# KiCad board handcart.kicad_pcb
title: Handcart; date: 2021-11-11; rev: v2; company: E-Agle - TRT
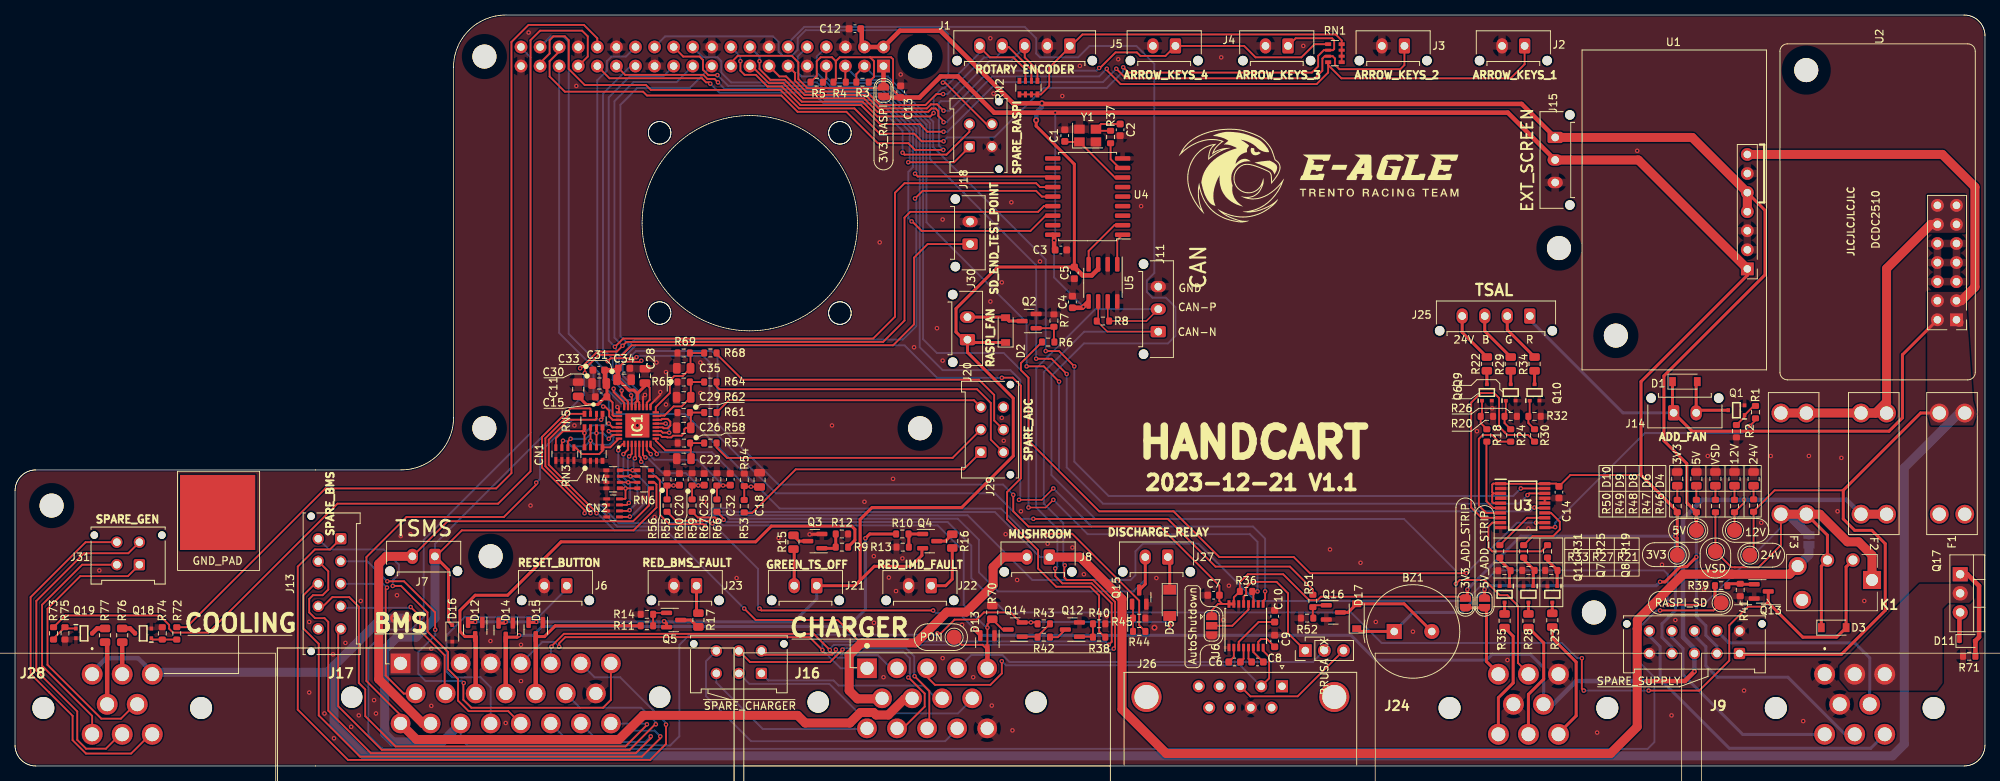
[diagram p0: board, top side]
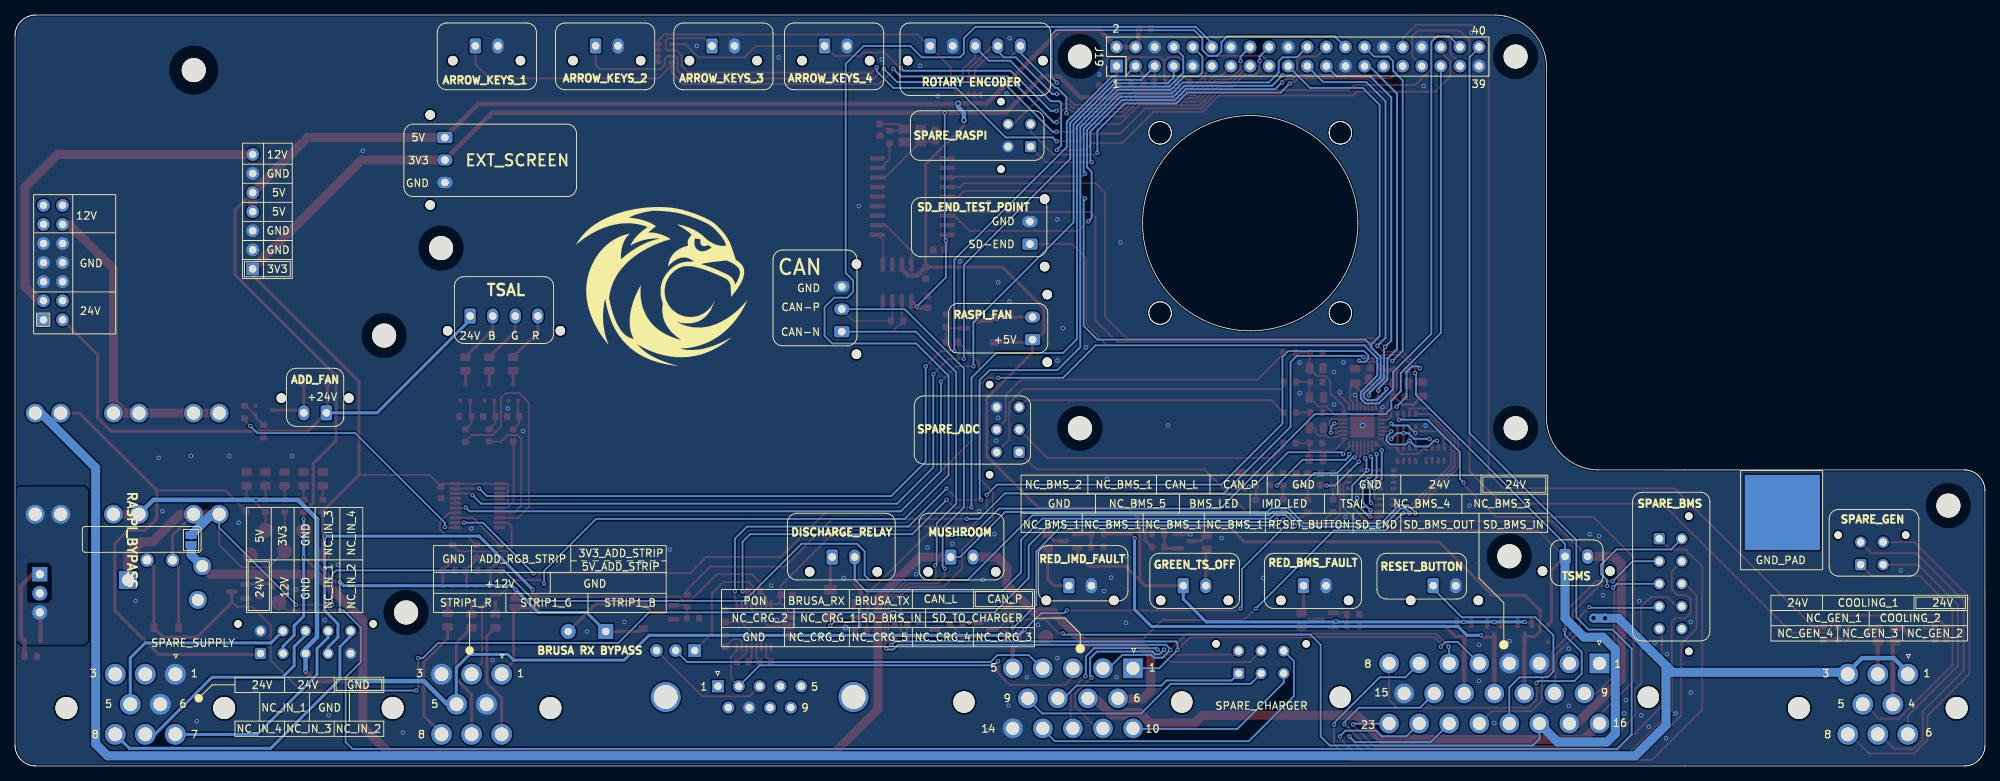
[diagram p1: board, bottom side, seen from below]

Outline 262.24 x 100 mm; copper layers: Top, Bottom. Coordinates in mm from the lower left corner of the outline.
Stack: Top 0.035mm / dielectric 1.51mm FR4 er 4.5 / Bottom 0.035mm

## Placement (name value [footprint] x y rotation side)
BZ1  Buzzer  [Buzzer_TDK_PS1240P02BT_D12.2mm_H6.5mm]  183.6 17.91 0 top
C1  18pF  [C_0603_1608Metric]  139.74 83.95 90 top
C2  18pF  [C_0603_1608Metric]  147.11 84.72 270 top
C3  100nF  [C_0603_1608Metric]  139.24 68.71 0 top
C4  100nF  [C_0603_1608Metric]  140.76 61.79 90 top
C5  100nF  [C_0603_1608Metric]  141.01 65.67 270 top
C6  100nF  [C_0603_1608Metric]  162.35 13.85 0 top
C7  100nF  [C_0603_1608Metric]  159.56 22.74 180 top
C8  100nF  [C_0603_1608Metric]  165.4 13.85 0 top
C9  100nF  [C_0603_1608Metric]  167.68 16.64 90 top
C10  100nF  [C_0603_1608Metric]  167.68 19.95 90 top
C11  10uF  [C_0805_2012Metric]  74.97 50.17 90 top
C12  100nF  [C_0603_1608Metric]  111.8 98.18 180 top
C13  100nF  [C_0603_1608Metric]  117.9 89.8 90 top
C14  100nF  [C_0603_1608Metric]  205.53 36.46 270 top
C15  100nF  [C_0603_1608Metric]  78.02 49.16 180 top
C18  C  [C_0805_2012Metric]  99.11 38.1 90 top
C20  100nF  [C_0603_1608Metric]  88.44 38.18 90 top
C22  C  [C_0805_2012Metric]  89.04 40.93 180 top
C25  100nF  [C_0603_1608Metric]  91.74 38.18 90 top
C26  C  [C_0805_2012Metric]  89.01 45.03 180 top
C28  470nF  [C_0805_2012Metric]  83.86 51.95 90 top
C29  C  [C_0805_2012Metric]  89.01 49.1 180 top
C30  10uF  [C_0805_2012Metric]  77.77 50.93 180 top
C31  10uF  [C_0805_2012Metric]  81.07 51.44 0 top
C32  100nF  [C_0603_1608Metric]  95.21 38.18 90 top
C33  100nF  [C_0603_1608Metric]  77.71 52.71 180 top
C34  100nF  [C_0603_1608Metric]  81.08 52.97 0 top
C35  C  [R_0805_2012Metric]  89.01 52.97 180 top
CN1  100nF  [R_Array_Concave_4x0603]  73.2 41.54 90 top
CN2  100nF  [R_Array_Concave_4x0603]  79.62 34.37 0 top
D1  1N4148W  [D_SOD-123]  222.29 51.19 0 top
D2  1N4148W  [D_SOD-123]  131.87 58.05 90 top
D3  1N4148W  [D_SOD-123]  242.11 18.42 0 top
D4  24V  [R_0805_2012Metric]  231.44 38.23 270 top
D5  RGL34B  [D_MiniMELF]  153.71 21.72 270 top
D6  12V  [R_0805_2012Metric]  228.9 38.23 270 top
D8  VSD  [R_0805_2012Metric]  226.36 38.23 270 top
D9  5V  [R_0805_2012Metric]  223.82 38.23 270 top
D10  3V3  [R_0805_2012Metric]  221.28 38.23 270 top
D11  DDZ3V3ASF-7  [D_SOD-323]  259.89 16.64 0 top
D12  BAT54S  [SOT-23]  61.26 18.17 270 top
D13  BAT54S  [SOT-23]  129.44 16.42 270 top
D14  BAT54S  [SOT-23]  65.32 18.09 270 top
D15  BAT54S  [SOT-23]  69.32 18.17 270 top
D16  DDZ13ASF 13V  [D_SOD-323F]  58.21 17.66 270 top
D17  1N4148W  [D_SOD-123]  178.61 19.95 90 top
F1  10A  [Keystone-Fuseholder 3557-2]  257.85 40.27 90 top
F2  5A  [Keystone-Fuseholder 3557-2]  247.44 40.27 270 top
F3  2A  [Keystone-Fuseholder 3557-2]  236.77 40.27 270 top
G***  LOGO  [newlogo]  173.53 78.62 0 top
G***#2  LOGO  [logo_24mm]  176.32 63.89 180 bottom
GND_PAD  -  [TestPoint_GNDedge]  26.97 33.66 0 top
IC1  MAX11337ATJ+  [QFN50P500X500X80-33N]  82.85 45.35 90 top
J1  ROTARY ENCODER  [Molex_Micro-Fit_3.0_43650-0515_1x05_P3.00mm_Vertical]  140.41 95.89 180 top
J2  ARROW_KEYS_1  [Molex_Micro-Fit_3.0_43650-0215_1x02_P3.00mm_Vertical]  200.96 95.89 180 top
J3  ARROW_KEYS_2  [Molex_Micro-Fit_3.0_43650-0215_1x02_P3.00mm_Vertical]  184.96 95.89 180 top
J4  ARROW_KEYS_3  [Molex_Micro-Fit_3.0_43650-0215_1x02_P3.00mm_Vertical]  169.46 95.89 180 top
J5  ARROW_KEYS_4  [Molex_Micro-Fit_3.0_43650-0215_1x02_P3.00mm_Vertical]  154.48 95.89 180 top
J6  RESET_BUTTON  [Molex_Micro-Fit_3.0_43650-0215_1x02_P3.00mm_Vertical]  73.45 24.01 180 top
J7  TSMS  [Molex_Micro-Fit_3.0_43650-0215_1x02_P3.00mm_Vertical]  55.9 27.91 180 top
J8  MUSHROOM  [Molex_Micro-Fit_3.0_43650-0215_1x02_P3.00mm_Vertical]  137.69 27.82 180 top
J9  1-776279-1  [TE-17762791]  240.9 12.22 0 top
J10  SPARE_SUPPLY  [Molex_Micro-Fit_3.0_43045-1012_2x05_P3.00mm_Vertical]  229.56 14.98 180 top
J11  CAN  [Molex_Micro-Fit_3.0_43650-0315_1x03_P3.00mm_Vertical]  152.19 57.84 90 top
J12  SPARE_CHARGER  [Molex_Micro-Fit_3.0_43045-0612_2x03_P3.00mm_Vertical]  99.36 12.33 180 top
J13  SPARE_BMS  [Molex_Micro-Fit_3.0_43045-1012_2x05_P3.00mm_Vertical]  43.36 30.26 270 top
J14  ADD_FAN  [Molex_Micro-Fit_3.0_43650-0215_1x02_P3.00mm_Vertical]  220.79 47.03 0 top
J15  EXT_SCREEN  [Molex_Micro-Fit_3.0_43650-0315_1x03_P3.00mm_Vertical]  205.02 83.7 270 top
J16  CHARGER  [TE_776266-4]  121.42 9.01 0 top
J17  BMS  [TE_776087-4]  65.32 9.66 0 top
J18  SPARE_RASPI  [Molex_Micro-Fit_3.0_43045-0412_2x02_P3.00mm_Vertical]  127.04 82.48 90 top
J19  Raspberry_Pi_2_3  [raspberrypi_hat_template]  115.62 93.21 90 bottom
J20  RASPI_FAN  [Molex_Micro-Fit_3.0_43650-0215_1x02_P3.00mm_Vertical]  126.79 56.78 90 top
J21  GREEN_TS_OFF  [Molex_Micro-Fit_3.0_43650-0215_1x02_P3.00mm_Vertical]  106.72 24.01 180 top
J22  RED_IMD_FAULT  [Molex_Micro-Fit_3.0_43650-0215_1x02_P3.00mm_Vertical]  121.96 24.01 180 top
J23  RED_BMS_FAULT  [Molex_Micro-Fit_3.0_43650-0215_1x02_P3.00mm_Vertical]  90.72 24.01 180 top
J24  1-776279-1  [TE-17762791]  197.47 12.22 0 top
J25  TSAL  [Molex_Micro-Fit_3.0_43650-0415_1x04_P3.00mm_Vertical]  201.65 59.92 180 top
J26  RS_232  [DSUB-9_Female_Horizontal_P2.77x2.84mm_EdgePinOffset7.70mm_Housed_MountingHolesOffset9.12mm]  168.66 10.61 0 top
J27  DISCHARGE_RELAY  [Molex_Micro-Fit_3.0_43650-0215_1x02_P3.00mm_Vertical]  153.46 27.82 180 top
J28  COOLING  [TE-17762791]  10.27 12.22 0 top
J29  SPARE_ADC  [Molex_Micro-Fit_3.0_43045-0612_2x03_P3.00mm_Vertical]  128.57 41.79 90 top
J30  SD_END_TEST_POINT  [Molex_Micro-Fit_3.0_43650-0215_1x02_P3.00mm_Vertical]  127.14 69.5 90 top
J31  SPARE_GEN  [Molex_Micro-Fit_3.0_43045-0412_2x02_P3.00mm_Vertical]  16.55 26.8 180 top
JP1  RASPI_BYPASS  [SolderJumper-2_P1.3mm_Open_Pad1.0x1.5mm]  238.8 30.11 270 bottom
JP2  3V3_RASPI  [SolderJumper-2_P1.3mm_Open_RoundedPad1.0x1.5mm]  115.61 89.8 270 top
JP3  5V_ADD_STRIP  [SolderJumper-2_P1.3mm_Open_RoundedPad1.0x1.5mm]  195.62 21.72 90 top
JP4  3V3_ADD_STRIP  [SolderJumper-2_P1.3mm_Open_RoundedPad1.0x1.5mm]  193.08 21.72 90 top
JP5  BRUSA RX  [PinHeader_1x03_P2.54mm_Vertical]  171.76 15.37 90 top
JP6  AutoShutdown  [SolderJumper-3_P1.3mm_Open_RoundedPad1.0x1.5mm]  159.3 18.68 270 top
K1  -  [EX12U1S]  247.21 24.77 0 top
Q1  SSM3K361TU,LF  [SOTFL65P210X75-3N]  229.15 47.38 180 top
Q2  2N7002NXAK  [SOT-23]  135 59.25 180 top
Q3  2N7002NXAK  [SOT-23]  106.47 29.94 180 top
Q4  NTR5105PT1G  [SOT-23]  121.76 29.94 0 top
Q5  NTR5105PT1G  [SOT-23]  87.67 19.44 0 top
Q6  SSM3K361TU,LF  [SOTFL65P210X75-3N]  195.93 49.73 90 top
Q7  SSM3K361TU,LF  [SOTFL65P210X75-3N]  204.64 22.87 270 top
Q8  SSM3K361TU,LF  [SOTFL65P210X75-3N]  201.47 22.87 270 top
Q9  SSM3K361TU,LF  [SOTFL65P210X75-3N]  199.11 49.73 90 top
Q10  SSM3K361TU,LF  [SOTFL65P210X75-3N]  202.28 49.73 90 top
Q11  SSM3K361TU,LF  [SOTFL65P210X75-3N]  198.29 22.87 270 top
Q12  2N7002NXAKR  [SOT-23]  140.76 18.17 180 top
Q13  2N7002NXAKR  [SOT-23]  232.45 23.25 0 top
Q14  NTR5105PT1G  [SOT-23]  133.14 18.17 180 top
Q15  2N7002NXAK  [SOT-23]  149.65 22.49 90 top
Q16  2N7002NXAK  [SOT-23]  175.49 20.45 0 top
Q17  FQP17P06  [TO-220-3_Vertical]  258.94 25.53 270 top
Q18  SSM3K361TU,LF  [SOTFL65P210X75-3N]  17.06 17.66 180 top
Q19  SSM3K361TU,LF  [SOTFL65P210X75-3N]  9.19 17.66 0 top
R1  22R  [R_0603_1608Metric]  231.69 47.12 270 top
R2  330k  [R_0603_1608Metric]  229.15 44.58 270 top
R3  4k7  [R_0603_1608Metric]  112.82 91.07 180 top
R4  4k7  [R_0603_1608Metric]  109.77 91.07 0 top
R5  4k7  [R_0603_1608Metric]  106.72 91.07 0 top
R6  22R  [R_0603_1608Metric]  137.54 56.46 180 top
R7  330k  [R_0603_1608Metric]  138.3 59.32 90 top
R8  120R  [R_0603_1608Metric]  144.82 59.25 180 top
R9  22R  [R_0603_1608Metric]  110.08 29.14 180 top
R10  22R  [R_0603_1608Metric]  118.11 30.89 0 top
R11  22R  [R_0603_1608Metric]  84.12 18.68 0 top
R12  330k  [R_0603_1608Metric]  110.08 30.89 0 top
R13  330k  [R_0603_1608Metric]  118.16 29.14 180 top
R14  330k  [R_0603_1608Metric]  84.12 20.2 180 top
R15  120R  [R_0805_2012Metric]  103.63 29.79 270 top
R16  120R  [R_0805_2012Metric]  124.76 29.94 270 top
R17  120R  [R_0805_2012Metric]  90.98 19.44 90 top
R18  22R  [R_0603_1608Metric]  195.93 44.02 270 top
R19  22R  [R_0603_1608Metric]  204.01 28.58 90 top
R20  330k  [R_0603_1608Metric]  195.93 46.56 0 top
R21  330k  [R_0603_1608Metric]  204.51 26.04 180 top
R22  R  [R_0805_2012Metric]  195.93 53.54 90 top
R23  R  [R_0805_2012Metric]  204.64 19.41 270 top
R24  22R  [R_0603_1608Metric]  199.11 44.02 270 top
R25  22R  [R_0603_1608Metric]  200.83 28.58 90 top
R26  330k  [R_0603_1608Metric]  199.11 46.56 0 top
R27  330k  [R_0603_1608Metric]  201.47 26.04 180 top
R28  R  [R_0805_2012Metric]  201.47 19.33 270 top
R29  R  [R_0805_2012Metric]  199.11 53.54 90 top
R30  22R  [R_0603_1608Metric]  202.28 44.02 270 top
R31  22R  [R_0603_1608Metric]  197.66 28.58 90 top
R32  330k  [R_0603_1608Metric]  202.28 46.56 0 top
R33  330k  [R_0603_1608Metric]  198.27 26 180 top
R34  R  [R_0805_2012Metric]  202.28 53.54 90 top
R35  R  [R_0805_2012Metric]  198.29 19.33 270 top
R36  10k  [R_0603_1608Metric]  163.87 23.25 0 top
R37  22R  [R_0603_1608Metric]  145.84 83.76 90 top
R38  22R  [R_0603_1608Metric]  144.32 17.15 0 top
R39  22R  [R_0603_1608Metric]  227.12 24.01 180 top
R40  330k  [R_0603_1608Metric]  144.32 18.93 0 top
R41  330k  [R_0603_1608Metric]  229.66 23.44 270 top
R42  22R  [R_0603_1608Metric]  136.95 17.15 0 top
R43  330k  [R_0603_1608Metric]  136.95 18.93 0 top
R44  22R  [R_0603_1608Metric]  149.65 17.91 180 top
R45  330k  [R_0603_1608Metric]  149.65 19.69 0 top
R46  22k  [R_0603_1608Metric]  231.44 34.68 90 top
R47  10k  [R_0603_1608Metric]  228.9 34.61 90 top
R48  10k  [R_0603_1608Metric]  226.36 34.61 90 top
R49  2k7  [R_0603_1608Metric]  223.82 34.61 90 top
R50  2k7  [R_0603_1608Metric]  221.28 34.61 90 top
R51  22R  [R_0603_1608Metric]  172.76 21.98 270 top
R52  330k  [R_0603_1608Metric]  172 19.69 180 top
R53  R  [R_0603_1608Metric]  97.07 34.6 270 top
R54  R  [R_0603_1608Metric]  97.08 38.1 270 top
R55  27k  [R_0603_1608Metric]  86.8 34.68 270 top
R56  3k3  [R_0603_1608Metric]  86.79 38.18 270 top
R57  R  [R_0603_1608Metric]  92.57 43 0 top
R58  R  [R_0603_1608Metric]  89.03 43 0 top
R59  27k  [R_0603_1608Metric]  90.13 34.68 270 top
R60  3k3  [R_0603_1608Metric]  90.13 38.18 270 top
R61  R  [R_0603_1608Metric]  92.57 47.07 0 top
R62  R  [R_0603_1608Metric]  89.01 47.07 0 top
R64  R  [R_0603_1608Metric]  92.57 51.13 0 top
R65  R  [R_0603_1608Metric]  89.01 51.13 0 top
R66  27k  [R_0603_1608Metric]  93.43 34.68 270 top
R67  3k3  [R_0603_1608Metric]  93.43 38.18 270 top
R68  R  [R_0603_1608Metric]  92.57 55 0 top
R69  R  [R_0603_1608Metric]  89.01 55 0 top
R70  R  [R_0805_2012Metric]  130.09 20.45 90 top
R71  1k  [R_0603_1608Metric]  260.14 14.61 180 top
R72  22R  [R_0603_1608Metric]  21.53 17.66 90 top
R73  22R  [R_0603_1608Metric]  5.12 17.66 90 top
R74  330k  [R_0603_1608Metric]  19.6 17.66 90 top
R75  330k  [R_0603_1608Metric]  6.65 17.66 270 top
R76  R  [R_0805_2012Metric]  14.27 17.41 270 top
R77  R  [R_0805_2012Metric]  11.98 17.41 270 top
REF**  -  [MountingHole_3.2mm_M3_ISO14580]  62.48 94.47 0 top
REF**#2  -  [MountingHole_3.2mm_M3_ISO14580]  120.48 94.48 0 top
REF**#3  -  [MountingHole_3.2mm_M3_ISO14580]  205.53 68.97 0 top
REF**#4  -  [MountingHole_3.2mm_M3_ISO14580]  63.32 27.93 0 top
REF**#5  -  [MountingHole_3.2mm_M3_ISO14580]  120.48 44.97 0 top
REF**#6  -  [MountingHole_3.2mm_M3_ISO14580]  210.18 20.44 0 top
REF**#7  -  [MountingHole_3.2mm_M3_ISO14580]  4.87 34.68 0 top
REF**#8  -  [MountingHole_3.2mm_M3_ISO14580]  62.47 44.98 0 top
RN1  100k  [R_Array_Convex_4x0603]  175.7 94.92 180 top
RN2  100k  [R_Array_Convex_4x0603]  134.91 90.33 90 top
RN3  3k3  [R_Array_Convex_4x0603]  77.01 41.54 270 top
RN4  3k3  [R_Array_Convex_4x0603]  79.62 38.18 180 top
RN5  27k  [R_Array_Convex_4x0603]  77.01 45.99 270 top
RN6  27k  [R_Array_Convex_4x0603]  83.75 38.18 180 top
TP1  3V3  [TestPoint_Pad_D2.0mm]  221.28 28.07 0 top
TP2  5V  [TestPoint_Pad_D2.0mm]  223.82 31.38 0 top
TP3  24V  [TestPoint_Pad_D2.0mm]  230.93 28.07 0 top
TP4  12V  [TestPoint_Pad_D2.0mm]  228.9 31.38 0 top
TP5  VSD  [TestPoint_Pad_D2.0mm]  226.36 28.58 0 top
TP6  RASPI_SD  [TestPoint_Pad_D2.0mm]  227.12 21.72 0 top
TP7  PON  [TestPoint_Pad_D2.0mm]  125.01 17.15 0 top
U1  Tex_DCDC_v2  [Tex_DCDC_v2_horizontal]  230.6 66.2 180 top
U2  DCDC2510  [DCDC2510_Horizontal]  258.45 59.42 90 top
U3  PCA9634PW,118  [SOP65P640X110-20N]  200.7 34.68 0 top
U4  MCP2515-xSO  [SOIC-18W_7.5x11.6mm_P1.27mm]  142.79 75.83 180 top
U5  MCP2562-E-SN  [SOIC-8_3.9x4.9mm_P1.27mm]  144.82 64.33 270 top
U6  MAX3221  [SSOP-16_4.4x5.2mm_P0.65mm]  163.87 18.68 90 top
Y1  16MHz  [Crystal_SMD_3225-4Pin_3.2x2.5mm]  142.79 83.95 0 top

## Library data of the parts
BZ1 = -: PN: SD1209TT-A1
CN1 CN2 = -: Mouser: 581-W3A4YC104KAT2A
D1 D2 D17 = -: Store: TODO: find actual component
IC1 = -: Footprint_1: QFN50P500X500X80-33N; Height: 0.8; Manufacturer_Name: Analog Devices; Mouser Part Number: 700-MAX11337ATJ+; Mouser Price/Stock: https://www.mouser.co.uk/ProductDetail/Maxim-Integrated/MAX11337ATJ%2b?qs=pu0pc1ys7QqkCGbvlrZL5A%3D%3D; Reference_1: IC
J9 J24 = -: Height: 32.1; Manufacturer_Name: TE Connectivity; Mouser Part Number: 571-1-776279-1
J17 = -: Connector: TE Ampseal 23; Type: Cable
J26 = -: Mouser: https://www.mouser.it/ProductDetail/TE-Connectivity/2311765-1?qs=sGAEpiMZZMuCYX%2F97lp%252BMd3rBgv0qTySLNdgjKGQMkd7W37zn6jYCg%3D%3D
J28 = -: Height: 32.1; Manufacturer_Name: TE Connectivity; Manufacturer_Part_Number: 1-776279-1; Mouser Part Number: 571-1-776279-1
Q6-Q11 Q18 Q19 = -: Height: 0.75; Manufacturer_Name: Toshiba; Mouser Part Number: 757-SSM3K361TULF; Mouser Price/Stock: https://www.mouser.co.uk/ProductDetail/Toshiba/SSM3K361TULF?qs=r5DSvlrkXmLO9ymRQhnt0A%3D%3D
Q16 = -: BOM Name: NMOS; PN: 2N7002NXAKR; Price [€]: 0.197; Store: https://www.mouser.it/ProductDetail/Nexperia/2N7002NXAKR?qs=%252B6g0mu59x7JoAsZYPFXqhw%3D%3D
U3 = -: Height: 1.1; Manufacturer_Name: NXP; Mouser Part Number: 771-PCA9634PW-T; Mouser Price/Stock: https://www.mouser.co.uk/ProductDetail/NXP-Semiconductors/PCA9634PW118?qs=LOCUfHb8d9v7SMDXrefb3Q%3D%3D
Y1 = -: Campo4: ECS-160-18-33-AEN-TR

## Footprints (pads in the part's own frame, mm; a bottom-side part is the same pattern mirrored in y, then rotated)
Buzzer_TDK_PS1240P02BT_D12.2mm_H6.5mm
  rect 2x2 hole 1: 1(0,0)
  round 2 hole 1: 2(5,0)
C_0603_1608Metric
  rrect 0.9x0.95 smd: 1(-0.775,0) 2(0.775,0)
C_0805_2012Metric
  rrect 1x1.45 smd: 1(-0.95,0) 2(0.95,0)
Crystal_SMD_3225-4Pin_3.2x2.5mm
  rect 1.4x1.2 smd: 1(-1.1,-0.85) 2(1.1,-0.85) 3(1.1,0.85) 4(-1.1,0.85)
D_MiniMELF
  rect 1.3x1.7 smd: 1(-1.75,0) 2(1.75,0)
D_SOD-123
  rect 0.9x1.2 smd: 1(-1.65,0) 2(1.65,0)
D_SOD-323
  rect 0.6x0.45 smd: 1(-1.05,0) 2(1.05,0)
D_SOD-323F
  rect 0.5x0.5 smd: 1(-1.1,0) 2(1.1,0)
DCDC2510_Horizontal
  round 3.2 hole 3.2 unplated: (33.25,20)
  rect 1.7x1.7 hole 1: 1(0,0)
  oval 1.7x1.7 hole 1: 2(0,2.54) 3(2.54,0) 4(2.54,2.54) 5(5.08,0) 6(5.08,2.54) 7(7.62,0) 8(7.62,2.54) 9(10.16,0) 10(10.16,2.54) 11(12.7,0) 12(12.7,2.54) 13(15.24,0) 14(15.24,2.54)
DSUB-9_Female_Horizontal_P2.77x2.84mm_EdgePinOffset7.70mm_Housed_MountingHolesOffset9.12mm
  round 4 hole 3.2: 0(-18.04,-1.42) 0(6.96,-1.42)
  rect 1.6x1.6 hole 1: 1(0,0)
  round 1.6 hole 1: 2(-2.77,0) 3(-5.54,0) 4(-8.31,0) 5(-11.08,0) 6(-1.385,-2.84) 7(-4.155,-2.84) 8(-6.925,-2.84) 9(-9.695,-2.84)
EX12U1S
  rect 2.4x2.4 hole 1.6: 1(0,0)
  round 1.8 hole 1.2: 2(-2.54,2.65) 3(-5.94,2.65)
  round 2.4 hole 1.6: 4(-9.9,1.85) 5(-9.3,-2.65)
Keystone-Fuseholder 3557-2
  round 2.5 hole 1.77: 1(-6.735,1.7) 1(-6.735,-1.7) 2(6.735,1.7) 2(6.735,-1.7)
Molex_Micro-Fit_3.0_43045-0412_2x02_P3.00mm_Vertical
  round 1 hole 1 unplated: (-3,-3.94) (6,-3.94)
  rrect 1.5x1.5 hole 1: 1(0,0)
  round 1.5 hole 1: 2(3,0) 3(0,-3) 4(3,-3)
Molex_Micro-Fit_3.0_43045-0612_2x03_P3.00mm_Vertical
  round 1 hole 1 unplated: (-3,-3.94) (9,-3.94)
  rrect 1.5x1.5 hole 1: 1(0,0)
  round 1.5 hole 1: 2(3,0) 3(6,0) 4(0,-3) 5(3,-3) 6(6,-3)
Molex_Micro-Fit_3.0_43045-1012_2x05_P3.00mm_Vertical
  round 1 hole 1 unplated: (-3,-3.94) (15,-3.94)
  rrect 1.5x1.5 hole 1: 1(0,0)
  round 1.5 hole 1: 2(3,0) 3(6,0) 4(9,0) 5(12,0) 6(0,-3) 7(3,-3) 8(6,-3) 9(9,-3) 10(12,-3)
Molex_Micro-Fit_3.0_43650-0215_1x02_P3.00mm_Vertical
  round 1.27 hole 1.27 unplated: (-3,1.96) (6,1.96)
  rrect 1.5x2.02 hole 1.02: 1(0,0)
  oval 1.5x2.02 hole 1.02: 2(3,0)
Molex_Micro-Fit_3.0_43650-0315_1x03_P3.00mm_Vertical
  round 1.27 hole 1.27 unplated: (-3,1.96) (9,1.96)
  rrect 1.5x2.02 hole 1.02: 1(0,0)
  oval 1.5x2.02 hole 1.02: 2(3,0) 3(6,0)
Molex_Micro-Fit_3.0_43650-0415_1x04_P3.00mm_Vertical
  round 1.27 hole 1.27 unplated: (-3,1.96) (12,1.96)
  rrect 1.5x2.02 hole 1.02: 1(0,0)
  oval 1.5x2.02 hole 1.02: 2(3,0) 3(6,0) 4(9,0)
Molex_Micro-Fit_3.0_43650-0515_1x05_P3.00mm_Vertical
  round 1.27 hole 1.27 unplated: (-3,1.96) (15,1.96)
  rrect 1.5x2.02 hole 1.02: 1(0,0)
  oval 1.5x2.02 hole 1.02: 2(3,0) 3(6,0) 4(9,0) 5(12,0)
MountingHole_3.2mm_M3_ISO14580
  round 3.2 hole 3.2 unplated: (0,0)
PinHeader_1x03_P2.54mm_Vertical
  rect 1.7x1.7 hole 1: 1(0,0)
  oval 1.7x1.7 hole 1: 2(0,-2.54) 3(0,-5.08)
QFN50P500X500X80-33N
  rect 0.85x0.3 smd: 1(-2.45,1.75) 2(-2.45,1.25) 3(-2.45,0.75) 4(-2.45,0.25) 5(-2.45,-0.25) 6(-2.45,-0.75) 7(-2.45,-1.25) 8(-2.45,-1.75) 17(2.45,-1.75) 18(2.45,-1.25) 19(2.45,-0.75) 20(2.45,-0.25) 21(2.45,0.25) 22(2.45,0.75) 23(2.45,1.25) 24(2.45,1.75)
  rect 0.3x0.85 smd: 9(-1.75,-2.45) 10(-1.25,-2.45) 11(-0.75,-2.45) 12(-0.25,-2.45) 13(0.25,-2.45) 14(0.75,-2.45) 15(1.25,-2.45) 16(1.75,-2.45) 25(1.75,2.45) 26(1.25,2.45) 27(0.75,2.45) 28(0.25,2.45) 29(-0.25,2.45) 30(-0.75,2.45) 31(-1.25,2.45) 32(-1.75,2.45)
  rect 3.2x3.2 smd: 33(0,0)
R_0603_1608Metric
  rrect 0.8x0.95 smd: 1(-0.825,0) 2(0.825,0)
R_0805_2012Metric
  rrect 1.025x1.4 smd: 1(-0.912,0) 2(0.912,0)
R_Array_Concave_4x0603
  rect 0.9x0.4 smd: 1(-0.85,1.2) 2(-0.85,0.4) 3(-0.85,-0.4) 4(-0.85,-1.2) 5(0.85,-1.2) 6(0.85,-0.4) 7(0.85,0.4) 8(0.85,1.2)
R_Array_Convex_4x0603
  rect 0.8x0.5 smd: 1(-0.9,1.2) 4(-0.9,-1.2) 5(0.9,-1.2) 8(0.9,1.2)
  rect 0.8x0.4 smd: 2(-0.9,0.4) 3(-0.9,-0.4) 6(0.9,-0.4) 7(0.9,0.4)
raspberrypi_hat_template
  rect 1.7x1.7 hole 1: 1(0,-0.01)
  oval 1.7x1.7 hole 1: 2(2.54,-0.01) 3(0,-2.55) 4(2.54,-2.55) 5(0,-5.09) 6(2.54,-5.09) 7(0,-7.63) 8(2.54,-7.63) 9(0,-10.17) 10(2.54,-10.17) 11(0,-12.71) 12(2.54,-12.71) 13(0,-15.25) 14(2.54,-15.25) 15(0,-17.79) 16(2.54,-17.79) 17(0,-20.33) 18(2.54,-20.33) 19(0,-22.87) 20(2.54,-22.87) 21(0,-25.41) 22(2.54,-25.41) 23(0,-27.95) 24(2.54,-27.95) 25(0,-30.49) 26(2.54,-30.49) 27(0,-33.03) 28(2.54,-33.03) 29(0,-35.57) 30(2.54,-35.57) 31(0,-38.11) 32(2.54,-38.11) 33(0,-40.65) 34(2.54,-40.65) 35(0,-43.19) 36(2.54,-43.19) 37(0,-45.73) 38(2.54,-45.73) 39(0,-48.27) 40(2.54,-48.27)
SOIC-8_3.9x4.9mm_P1.27mm
  rrect 1.95x0.6 smd: 1(-2.475,1.905) 2(-2.475,0.635) 3(-2.475,-0.635) 4(-2.475,-1.905) 5(2.475,-1.905) 6(2.475,-0.635) 7(2.475,0.635) 8(2.475,1.905)
SOIC-18W_7.5x11.6mm_P1.27mm
  rrect 2.05x0.6 smd: 1(-4.65,5.08) 2(-4.65,3.81) 3(-4.65,2.54) 4(-4.65,1.27) 5(-4.65,0) 6(-4.65,-1.27) 7(-4.65,-2.54) 8(-4.65,-3.81) 9(-4.65,-5.08) 10(4.65,-5.08) 11(4.65,-3.81) 12(4.65,-2.54) 13(4.65,-1.27) 14(4.65,0) 15(4.65,1.27) 16(4.65,2.54) 17(4.65,3.81) 18(4.65,5.08)
SolderJumper-2_P1.3mm_Open_Pad1.0x1.5mm
  rect 1x1.5 smd: 1(-0.65,0) 2(0.65,0)
SolderJumper-2_P1.3mm_Open_RoundedPad1.0x1.5mm
  custom 1x1.5 smd: 1(-0.65,0) 2(0.65,0)
SolderJumper-3_P1.3mm_Open_RoundedPad1.0x1.5mm
  custom 1.05x1.5 smd: 1(-1.3,0) 3(1.3,0)
  rect 1x1.5 smd: 2(0,0)
SOP65P640X110-20N
  rect 1.475x0.45 smd: 1(-2.938,2.925) 2(-2.938,2.275) 3(-2.938,1.625) 4(-2.938,0.975) 5(-2.938,0.325) 6(-2.938,-0.325) 7(-2.938,-0.975) 8(-2.938,-1.625) 9(-2.938,-2.275) 10(-2.938,-2.925) 11(2.938,-2.925) 12(2.938,-2.275) 13(2.938,-1.625) 14(2.938,-0.975) 15(2.938,-0.325) 16(2.938,0.325) 17(2.938,0.975) 18(2.938,1.625) 19(2.938,2.275) 20(2.938,2.925)
SOT-23
  rrect 1.475x0.6 smd: 1(-0.938,0.95) 2(-0.938,-0.95) 3(0.938,0)
SOTFL65P210X75-3N
  rect 0.47x0.52 smd: 1(-1.085,0.65) 2(-1.085,-0.65) 3(1.085,0)
SSOP-16_4.4x5.2mm_P0.65mm
  rect 1x0.4 smd: 1(-2.9,2.275) 2(-2.9,1.625) 3(-2.9,0.975) 4(-2.9,0.325) 5(-2.9,-0.325) 6(-2.9,-0.975) 7(-2.9,-1.625) 8(-2.9,-2.275) 9(2.9,-2.275) 10(2.9,-1.625) 11(2.9,-0.975) 12(2.9,-0.325) 13(2.9,0.325) 14(2.9,0.975) 15(2.9,1.625) 16(2.9,2.275)
TE-17762791
  round 2.93 hole 2.93 unplated: (-6.5,-4.5) (14.5,-4.5)
  round 2.775 hole 1.85: 1(0,0) 2(4,0) 3(8,0) 4(2,-4) 5(6,-4) 6(0,-8) 7(4,-8) 8(8,-8)
TE_776087-4
  round 2.85 hole 2.85 unplated: (-20.5,-0.5) (20.5,-0.5)
  rect 2.625x2.625 hole 1.75: 1(-14,4)
  round 2.625 hole 1.75: 2(-10,4) 3(-6,4) 4(-2,4) 5(2,4) 6(6,4) 7(10,4) 8(14,4) 9(-12,0) 10(-8,0) 11(-4,0) 12(0,0) 13(4,0) 14(8,0) 15(12,0) 16(-14,-4) 17(-10,-4) 18(-6,-4) 19(-2,-4) 20(2,-4) 21(6,-4) 22(10,-4) 23(14,-4)
TE_776266-4
  round 2.85 hole 2.85 unplated: (-14.5,-0.5) (14.5,-0.5)
  rect 2.625x2.625 hole 1.75: 1(-8,4)
  round 2.625 hole 1.75: 2(-4,4) 3(0,4) 4(4,4) 5(8,4) 6(-6,0) 7(-2,0) 8(2,0) 9(6,0) 10(-8,-4) 11(-4,-4) 12(0,-4) 13(4,-4) 14(8,-4)
TestPoint_GNDedge
  rect 10x10 smd: GND(0,0.1)
  rect 10x10 smd far side: GND(0,0.1)
TestPoint_Pad_D2.0mm
  round 2 smd: 1(0,0)
Tex_DCDC_v2_horizontal
  round 3.2 hole 3.2 unplated: (17.5,8.88)
  rect 1.7x1.7 hole 1: 1(0,0)
  oval 1.7x1.7 hole 1: 2(0,-2.54) 3(0,-5.08) 4(0,-7.62) 5(0,-10.16) 6(0,-12.7) 7(0,-15.24)
TO-220-3_Vertical
  rect 1.905x2 hole 1.1: 1(0,0)
  oval 1.905x2 hole 1.1: 2(2.54,0) 3(5.08,0)
